# Altium PCB DRS4-PCB.PcbDoc (part 10 of 15)
Units mil, origin at the board's own origin, x right, y up, seen from the top; angles counter-clockwise.
Board outline 12350 x 7411.06 mil, 12 copper layers (Top Layer, Ground Layer 2, Signal Layer 3, Signal Layer 4, Ground Layer 5, Power Layer 6, Ground Layer 7, Ground Layer 8, Power Layer 9, Power Layer 10, Ground Layer 11, Bottom Layer), stack 61.6 mil thick; 1411 components, 1117 nets, 4255 pads, 2550 vias.
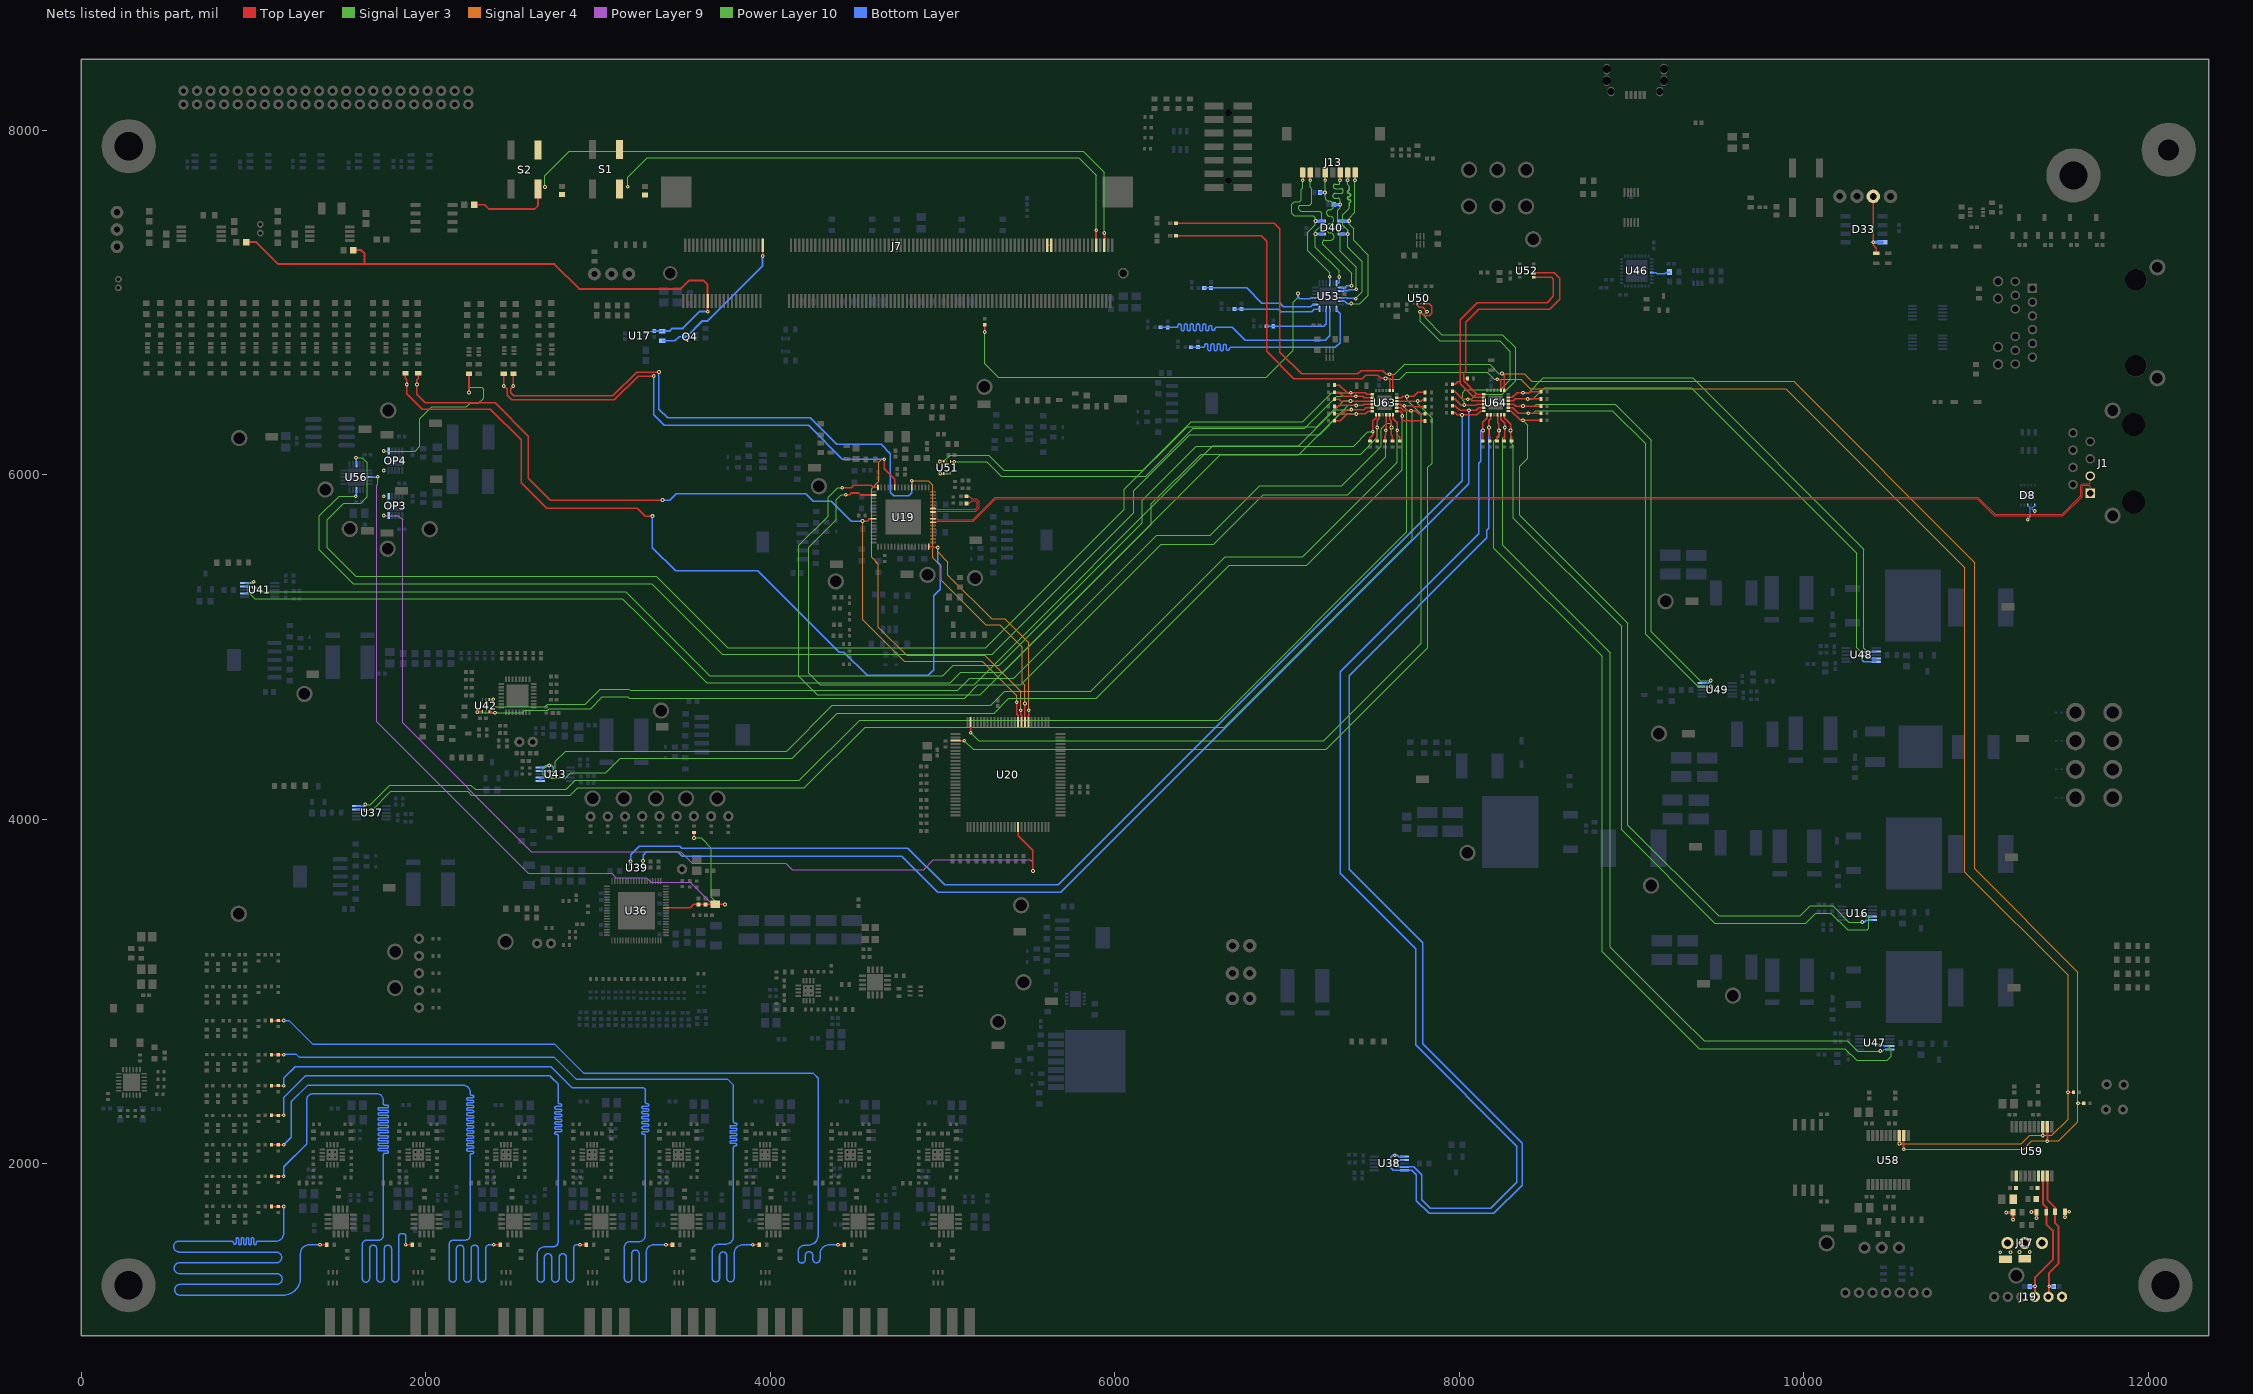
[diagram p20: the nets of this part, all layers, seen from the top]

## Via types
v1: diameter 21.65, hole 10, Top Layer to Bottom Layer, 2413 vias
v2: diameter 20, hole 10, Top Layer to Bottom Layer, 123 vias
v3: diameter 19, hole 8, Top Layer to Bottom Layer, 12 vias
v4: diameter 27.56, hole 10, Top Layer to Bottom Layer, 1 vias
v5: diameter 21.65, hole 10, Top Layer to Bottom Layer, tented top, 1 vias

## Nets (pads, with @x,y where several pads share a name; then routed paths per layer and width w, separated by ;. In a path a pad name is that pad's centre, name@x,y a point inside that pad or via, vN(x,y) a via of type N, cw(c..) or ccw(c..) an arc to the next point about the centre after c; other vN are vias at no path point) (continued)
OUT9_N: D8.3 J1.1 U19.55 | length 7082.8
  Top Layer w5: U19.55@4944.2,5724.69 4964.42,5724.69 4969.26,5729.54 5178.79,5729.54 5309.46,5860.2 11006.36,5860.2 11106,5760.57 11503.14,5760.57 11615.72,5873.15 11615.72,5934.27 11618.81,5937.36 11655.24,5937.36 11662.2,5930.4 J1.1@11662.2,5892.36 ; v1(11300.08,5739.02) 11300.08,5760.22
  Bottom Layer w6.73: v1(11300.08,5739.02) 11300.08,5740.96 11313.91,5754.79 11313.91,5806.75 11307.69,5812.96 11307.69,5813.24 11300.08,5820.85 D8.3@11300.08,5823.81
OUT9_P: D8.1 J1.3 U19.56 | length 7031.8
  Top Layer w5: U19.56@4944.2,5744.38 4964.42,5744.38 4969.26,5739.54 5174.65,5739.54 5305.32,5870.2 11010.5,5870.2 11110.14,5770.57 11498.99,5770.57 11605.72,5877.3 11605.72,5938.42 11608.65,5941.34 11614.67,5947.36 11655.24,5947.36 11662.2,5954.32 J1.3@11662.2,5992.36 ; 11339.45,5770.93 v1(11339.45,5789.02)
  Bottom Layer w6.73: v1(11339.45,5789.02) 11335.85,5789.02 11325.64,5799.23 11325.64,5806.74 11331.87,5812.96 11331.87,5813.27 11339.45,5820.85 D8.1@11339.45,5823.81
OUT9A_N: C87.1 U19.58 | length 397.6
  Top Layer w5: U19.58@4944.2,5783.75 4964.42,5783.75 4969.26,5788.59 5192.5,5788.59 5211.06,5807.16 5211.06,5842.21 5194.01,5859.27 5169.34,5859.27 5153.13,5875.47 C87.1@5138.82,5875.47
OUT9A_P: C89.1 U19.59 | length 364.5
  Top Layer w5: U19.59@4944.2,5803.44 4964.42,5803.44 4969.26,5798.59 5188.36,5798.59 5201.06,5811.3 5201.06,5838.07 5189.87,5849.27 5169.34,5849.27 5153.13,5833.06 C89.1@5138.82,5833.06
PB_3V3: C363.2 C364.1 J17.2 R327.1 R328.1 TP90.1 U59.17 | length 123.1
  Top Layer w15.75: v1(11320,1719.18) R328.1@11349.91,1719.18 v1(11349.91,1683.12) ; v1(11515.28,1689.18) R327.1@11515.28,1720.79 v1(11540.8,1720.79)
  other v1: 11251.21,1487.32 11311.4,1487.32
PB_3V3_VISO: C355.2 C356.1 J17.3 R332.1 TP92.1 U59.12 | length 81.3
  Top Layer w15.75: v1(11174.92,1717.02) R332.1@11214.29,1717.02 v1(11214.29,1675.12)
  other v1: 11139.64,1486.55 11199.83,1486.55
PB_EXT_3V3: J17.1 J19.1
PB_SCL: D76.1 J19.2 R327.2 U59.19 | length 778.5
  Top Layer w11.81: U59.19@11412.91,1928.66 11412.91,1790.68 11458.19,1745.4 R327.2@11458.19,1720.79 11458.19,1654.68 11478.87,1634 11478.87,1421.59 11423.28,1366 J19.2@11423.28,1227.17
  Bottom Layer w11.81: v1(11423.62,1288.07) D76.1@11450.25,1288.07
PB_SDA: D77.1 J19.3 R328.2 U59.18 | length 803.7
  Top Layer w11.81: J19.3@11341.1,1224.52 11341.1,1338.99 11445.12,1443.01 11445.12,1611.39 11407,1649.51 R328.2@11407,1719.18 11409.76,1721.94 11409.76,1745.45 11387.32,1767.89 U59.18@11387.32,1928.66
  Bottom Layer w11.81: D77.1@11311.14,1288.07 v1(11341.39,1288.07)
POR: C76.1 J7.196 R388.1 S2.1 S2.2 | length 4330.4
  Top Layer w7.87: v1@5938.54,7402.56 v1@5938.78,7402.33
  Top Layer w9.84: R388.1@2280.06,7566.58 2341.14,7566.58 2365.2,7542.52 2632.32,7542.52 2651.24,7561.43 S2.1@2651.24,7657.4
  Top Layer w11.81: J7.196@5938.78,7330.79 v1@5938.78,7402.33
  Power Layer 10 w6.88: v1@2690.49,7670.52 2690.49,7734.26 2833.23,7877.01 5815.91,7877.01 5938.54,7754.38 v1@5938.54,7402.56
  other v1: 5938.78,7402.56 2691.43,7670.52
POWER_EN: C64.1 J7.13 R30.2 R364.1 R366.1 U17.1 | length 3519.8
  Top Layer w11.8: R366.1@956.14,7349.88 1015.26,7349.88 1142.3,7222.84 1644.01,7222.84 ; R364.1@1578.94,7303.27 1623.27,7303.27 1644.01,7282.53 1644.01,7222.84 ; J7.13@3635.57,7008.12 3635.57,7103.72 3611.24,7128.05 3529.27,7128.05 3479.91,7078.69 2890.38,7078.69 2746.23,7222.84 1644.01,7222.84
  Top Layer w11.81: v1@3635.31,6946.48 3635.58,6946.75 J7.13@3635.57,7008.12
  Bottom Layer w5: U17.1@3266.94,6825.38 3294.56,6825.38 3303.13,6833.94 C64.1@3325.19,6833.94
  Bottom Layer w11.8: v1@3635.83,6944.02 v1(3635.83,6946.48)
  Bottom Layer w11.81: U17.1@3265,6825.38 U17.1@3266.94,6825.38 ; C64.1@3325.19,6833.13 R30.2@3372.41,6833.13 ; R30.2@3388.05,6835.08 3416.45,6835.08 3431.21,6849.85 3491.28,6849.85 3587.91,6946.48 v1@3635.31,6946.48
POWER_GOOD: J7.40 Q4.5 R30.1 | length 881.3
  Top Layer w9.84: J7.40@3954.46,7331.1 3954.85,7330.71 v1(3954.85,7269.89)
  Bottom Layer w7.87: R30.1@3372.41,6778.01 3446.15,6778.01 3469.97,6801.83 Q4.5@3497.43,6801.83
  Bottom Layer w11.81: Q4.5@3497.43,6801.83 3514.73,6801.83 3605.79,6892.88 3635.41,6892.88 3954.85,7212.32 v1(3954.85,7269.89)
PS_SRST#: C71.1 J7.192 S1.1 S1.2 | length 3271
  Top Layer w7.87: v1@5891.3,7419.33 v1@5891.54,7419.09
  Top Layer w11.81: J7.192@5891.54,7330.79 v1@5891.54,7419.09
  Power Layer 10 w6.88: v1(3172.65,7671.32) 3172.65,7727.53 3284.37,7839.25 5791.14,7839.25 5891.3,7739.08 v1@5891.3,7419.33
  other v1: 5891.54,7419.33
R-OFS: C142.1 C143.2 C144.2 R58.1 U36.30 U56.18 | length 4831.7
  Top Layer w7.87: U36.30@3394.77,3484.54 3535.35,3484.54 3555.94,3505.13 v1(3736.87,3505.13)
  Top Layer w10: v1(3555.91,3891.13) R58.1@3555.91,3923.82
  Power Layer 9 w6.12: v1(1720.48,5988.43) 1720.48,5946.1 1713.5,5939.13 1713.5,4564.61 2593.19,3684.92 3079.55,3684.92 3103.29,3661.18 3279.99,3661.18 3308.02,3633.14 3429.36,3633.14 3430.27,3634.05 3533.89,3634.05 3662.81,3505.13 v1(3736.87,3505.13)
  Power Layer 10 w6.88: v1(3555.91,3891.13) 3599.58,3891.13 3657.91,3832.8 3657.91,3546.77 3699.55,3505.13 v1(3736.87,3505.13)
  Bottom Layer w7.87: U56.18@1671.18,5985.98 1718.02,5985.98 v1(1720.48,5988.43)
RSVD: J7.168 J7.170 | length 23.6
  Top Layer w7.87: J7.168@5608.1,7330.79 J7.170@5631.72,7330.79
RX_EXT: D33.4 J11.2 R189.1 | length 390.8
  Top Layer w7.87: v1(10402.2,7349.43) 10402.2,7334.74 10421.08,7315.85 R189.1@10421.08,7285.06 ; v1@10402.75,7349.43 J11.2@10402.75,7615.48
  Bottom Layer w5: D33.4@10455.4,7349.43 D33.4@10455.6,7349.23
  Bottom Layer w19.68: v1@10403.09,7349.43 D33.4@10455.4,7349.43
RX_LED: R198.1 U46.21 | length 110.9
  Bottom Layer w7.87: U46.21@9116.65,7173.23 9139.76,7173.23 9147.28,7165.71 9192.4,7165.71 9202.39,7175.7 R198.1@9220.35,7175.7
S\H\D\N\: OP3.5 OP3.6 OP4.6 R320.2 U20.66 | length 6760.8
  Top Layer w7.87: U20.66@5438.27,3954.01 5438.27,3905.33 5524.35,3819.25 v1(5524.35,3698.9)
  Top Layer w10: v1(2249.63,6477.06) R320.2@2249.63,6586.61
  Power Layer 9 w6.12: v1(1756.1,5762.83) 1840.75,5762.83 1864.57,5739.01 1864.57,4559.4 2611.93,3812.05 3479.06,3812.05 3546.5,3744.61 4090.43,3744.61 4127.52,3707.52 4888.86,3707.52 4946.57,3765.24 5509.94,3765.24 5524.35,3750.82 v1(5524.35,3698.9)
  Power Layer 10 w6.88: v1(1756.1,6137.21) 1938.54,6137.21 1965.66,6164.33 1965.66,6325.14 2033.84,6393.33 2235.75,6393.33 2256.2,6413.77 2305.16,6413.77 2335.52,6444.13 2335.52,6496.21 2324.79,6506.94 2258.17,6506.94 2249.63,6498.4 v1(2249.63,6477.06)
  other v1: 1756.1,5875.43 1756.1,6024.61
SCL: R100.1 R220.1 U58.2 U59.2 U63.19 U64.19 | length 10919.4
  Top Layer w6: v1(11591.84,2350.61) R100.1@11624.48,2350.59
  Top Layer w7.87: R220.1@6354.92,7459.58 6926.04,7459.58 ; 6926.1,7459.64 6957.89,7427.85 6957.89,6711.73 7084.81,6584.81 7410.81,6584.81 7430.77,6604.77 7554.68,6604.77 7576.17,6583.28 v1(7593.78,6583.28) 7608.3,6583.28 7614.37,6577.21 U63.19@7614.37,6488.66 ; v1(8247.05,6587.4) 8260.83,6573.62 U64.19@8260.83,6489.72
  Top Layer w11.81: U58.2@10579.06,2164.09 10579.06,2085.11 v1(10580.04,2084.13) ; v1(11412.91,2130.66) U59.2@11412.91,2214.09
  Signal Layer 3 w7.25: v1(7593.78,6583.28) 7624.77,6583.28 7681.78,6640.28 8176.18,6640.28 8229.06,6587.4 v1(8247.05,6587.4)
  Signal Layer 4 w6.12: v1(8247.05,6587.4) 8375.43,6587.4 8421.19,6541.64 9939.56,6541.64 10991.81,5489.39 10991.81,3711.01 11590.99,3111.83 11590.99,2242.4 11480.55,2131.96 11323.47,2131.96 11275.64,2084.13 v1(10580.04,2084.13)
SCL_3V3_INA226: R269.1 U47.5 U64.11 | length 5317.3
  Top Layer w7.87: U64.11@8241.14,6347.99 8241.14,6320.69 8263.31,6298.52 v1@8263.31,6276.67 ; R269.1@8259.36,6195.2 8259.36,6213.6 8263.31,6217.54 v1(8263.31,6274.25)
  Signal Layer 3 w7.25: v1(8263.31,6274.25) 8263.31,6222.14 8251.75,6210.58 8251.75,5590.57 8875.52,4966.8 8875.52,3257.66 9282.66,2850.51 9420.1,2713.07 10252.08,2713.07 10311.15,2654 v1(10442.91,2654)
  Bottom Layer w5: v1@10443.5,2654 10458,2654 10467.45,2663.45 U47.5@10498.49,2663.45
SCL_4V_INA226: R334.1 U48.2 U48.5 U64.17 | length 3443.9
  Top Layer w7.87: U64.17@8282.48,6448.39 8308.07,6448.39 8334.81,6475.12 v1(8369.75,6475.12) 8407.76,6475.12 8413.54,6480.91 R334.1@8473.9,6480.91
  Signal Layer 3 w7.25: v1@8369.17,6476.93 8402.17,6476.93 8486.85,6561.61 9353.28,6561.61 10347.82,5567.06 10347.82,4993.09 v1(10368.26,4972.65)
  Bottom Layer w7.87: U48.5@10419.94,4914.06 10346.8,4914.06 10339.29,4921.57 10339.29,4963.64 10348.3,4972.65 v1(10368.26,4972.65) 10419.48,4972.65 U48.2@10419.94,4973.12
SCL_-1V_INA226: R336.1 U49.5 U64.15 | length 2663.1
  Top Layer w7.87: U64.15@8282.48,6409.02 8315.63,6409.02 8327.83,6396.81 8360.87,6396.81 8362.24,6398.19 v1(8369.17,6398.19) R336.1@8473.9,6398.19
  Signal Layer 3 w7.25: v1(8369.17,6398.19) 8434.88,6398.19 8445.71,6409.02 8906.01,6409.02 9115.16,6199.87 9115.16,5088.05 9398.55,4804.66 v1(9458.66,4804.66)
  Bottom Layer w7.87: U49.5@9408.58,4789.86 9443.86,4789.86 v1(9458.66,4804.66)
SCL_ADCINA226_AVDD: R258.1 U43.1 U43.2 U43.5 U63.13 | length 6571.5
  Top Layer w7.87: U63.13@7636.02,6368.58 7656.18,6368.58 7668.19,6356.57 v1(7668.19,6340.47) 7668.19,6318.98 7675.23,6311.94 R258.1@7801.5,6311.94
  Signal Layer 3 w7.25: v1(2716.32,4312.01) 2695.73,4312.01 2681.49,4297.76 2681.49,4258.53 2701.46,4238.56 2807.6,4238.56 2839.82,4270.78 3044.12,4270.78 3127.75,4354.41 4127.65,4354.41 4388.62,4615.39 5298.3,4615.39 5384.87,4701.96 5892.15,4701.96 6663.15,5472.95 7112.42,5472.95 7668.19,6028.73 v1(7668.19,6340.47)
  Bottom Layer w7.87: U43.1@2663.94,4221.84 U43.2@2663.94,4241.53 2728.34,4241.53 2739.14,4252.33 2739.14,4300.65 2727.78,4312.01 v1(2716.32,4312.01) 2706.94,4312.01 2695.52,4300.58 U43.5@2663.94,4300.58
SCL_ADCINA226_DVDD: R251.1 U41.5 U63.8 | length 7786.9
  Top Layer w7.87: R251.1@7522.51,6195.18 v1(7522.51,6273.59) 7522.51,6315.86 7535.63,6328.97 U63.8@7535.63,6346.93
  Signal Layer 3 w7.25: v1(1001.35,5378.86) 985,5378.86 969.88,5363.74 969.88,5316.82 1005.6,5281.1 3140.3,5281.1 3249.42,5171.98 3629.91,4791.49 5042.93,4791.49 5103.69,4852.24 5352.58,4852.24 6212.16,5711.82 6212.16,5830.92 6500.79,6119.55 7425.85,6119.55 7522.51,6216.21 v1(7522.51,6273.59)
  Bottom Layer w7.87: U41.5@947.41,5370.08 992.57,5370.08 v1(1001.35,5378.86)
SCL_ADCTMP112: R253.1 U42.1 U63.11 | length 6197.7
  Top Layer w7.87: U42.1@2367.62,4694.38 2388.92,4694.38 v1(2390.52,4695.98) ; U63.11@7595.19,6346.93 7595.19,6321.31 7605.59,6310.91 v1(7605.59,6274.25) 7605.59,6231.26 7610.95,6225.89 R253.1@7610.95,6195.18
  Signal Layer 3 w7.25: v1(2390.52,4695.98) 2390.52,4666.79 2403.52,4653.79 2692.85,4653.79 2706.26,4667.21 2925.16,4667.21 3013.34,4755.39 3177.72,4755.39 3185.4,4747.71 5087.49,4747.71 5156.97,4817.19 5411.67,4817.19 6243.09,5648.61 6553.13,5648.61 6841.16,5936.64 7317.83,5936.64 7545.68,6164.49 7545.68,6266.31 7577.14,6297.77 7598.24,6297.77 7605.59,6290.43 v1(7605.59,6274.25)
SCL_BME280: R261.1 U52.4 U64.2 | length 1408.2
  Top Layer w7.87: R261.1@7960.24,6525.04 7975.86,6525.02 7990.88,6540.04 8003.64,6540.04 ; U64.2@8140.75,6448.39 8083.7,6448.39 8004.98,6527.11 8004.98,6899.34 8104.61,6998.98 8510.32,6998.98 8546.19,7034.84 8546.19,7135.62 8535.91,7145.9 U52.4@8430.59,7145.9
SCL_ClkSensorTMP112: R69.1 U51.1 U51.4 U63.2 | length 2975.2
  Top Layer w7.87: v1(4985.3,6006.51) 5004.81,6006.51 5005.39,6005.93 U51.1@5005.97,6006.51 ; U51.4@5045.34,6075.41 5045.79,6075.86 v1(5067.7,6075.86) ; R69.1@7275.35,6478.9 7302.25,6478.89 7326.34,6454.8 v1(7397.83,6454.8) 7397.83,6450.12 7398.9,6449.06 7404.64,6454.8 7441.52,6454.8 7449,6447.33 U63.2@7494.29,6447.32
  Power Layer 10 w6.88: v1(4985.3,6006.51) 5037.61,6006.51 5038.19,6005.93 5067.7,6035.45 v1(5067.7,6075.86) 5257.07,6075.86 5341.09,5991.84 6177.88,5991.84 6455.04,6269.01 7101.04,6269.01 7286.84,6454.8 v1(7397.83,6454.8)
SCL_CY8C9560A: R254.1 U20.24 U63.17 | length 4565.3
  Top Layer w7.87: v1@5162.68,4502.2 U20.24@5162.68,4564.25 ; U63.17@7636.02,6447.32 7664.02,6447.32 7670.71,6454.02 v1(7695.87,6454.02) 7735.12,6454.02 7758.44,6477.33 R254.1@7801.5,6477.33
  Signal Layer 3 w7.25: v1(5163.86,4502.2) 5209.9,4456.16 6106.89,4456.16 7212.84,4456.16 7774.88,5018.2 7774.88,6355.24 7694.17,6435.94 v1@7694.17,6447.2
SCL_DAC: R74.1 U56.3 U63.6 | length 7656
  Top Layer w7.87: R74.1@7275.35,6313.5 7309.45,6313.5 7348.62,6352.68 v1(7400.71,6352.68) 7454.59,6352.68 7470.49,6368.59 U63.6@7494.29,6368.58
  Signal Layer 3 w7.25: v1(1592.08,5875.42) 1495.92,5875.42 1381.14,5760.63 1381.14,5563.83 1577.84,5367.13 3311.01,5367.13 3720.22,4957.91 5287.49,4957.91 6109.94,5780.35 6109.94,5905.47 6435.81,6231.34 7187.97,6231.34 7309.3,6352.68 v1(7400.71,6352.68)
  Bottom Layer w9.84: v1(1592.08,5875.42) 1596.28,5879.61 U56.3@1596.28,5911.09
SCL_DRS4INA226: R267.1 U38.1 U38.5 U64.8 | length 6489.2
  Top Layer w7.87: R267.1@8176.66,6195.2 8177.07,6195.61 8177.07,6224.08 8171.75,6229.41 v1(8171.75,6274.25) 8171.75,6313.49 8182.09,6323.83 U64.8@8182.09,6347.99
  Bottom Layer w7.87: U38.1@7680.98,2040.69 7647.83,2040.69 7639.65,2048.87 v1(7625.25,2048.87) 7611.74,2048.87 7601.62,2038.75 7601.62,1975.79 7615.46,1961.95 U38.5@7680.98,1961.95 7723.06,1961.95 7750,1935 7750,1785.15 7824.04,1711.11 8200.14,1711.11 8364.3,1875.27 8364.3,2117.58 7786.02,2695.86 7786.02,3283.9 7359.33,3710.59 7359.33,4833.34 8159.45,5633.46 8159.45,5677.91 8171.75,5690.21 v1(8171.75,6274.25)
SCL_DRS4INA226_AVDD: R256.1 U37.5 U63.15 | length 7688.3
  Top Layer w7.87: U63.15@7636.02,6407.95 7658.12,6407.95 7665.45,6400.63 v1(7680.51,6400.63) 7727.87,6400.63 7733.87,6394.64 R256.1@7801.5,6394.64
  Signal Layer 3 w7.25: v1(1648.67,4084.71) 1677.62,4084.71 1790.07,4197.15 2260.79,4197.15 2285.25,4172.69 2814.25,4172.69 2867,4225.44 4043.52,4225.44 4168.95,4225.44 4518.25,4574.73 6026.88,4574.73 6602.46,4574.73 7695.7,5667.97 7695.7,6377.41 7680.51,6392.6 v1(7680.51,6400.63)
  Bottom Layer w7.87: U37.5@1596.9,4076.19 1640.16,4076.19 v1(1648.67,4084.71)
SCL_DRS4TMP112: R265.1 U39.1 U64.6 | length 6545.6
  Top Layer w7.87: v1(3188.34,3755.54) 3190.11,3753.77 U39.1@3190.11,3738.23 ; R265.1@7960.24,6359.61 7974.98,6359.63 7986.65,6347.95 8000.35,6347.95 8001.1,6347.2 v1(8015.24,6347.2) 8101.02,6347.2 8123.46,6369.65 U64.6@8140.75,6369.65
  Bottom Layer w7.87: v1(3188.34,3755.54) 3188.34,3792.71 3238.11,3842.48 3473.49,3842.48 3485.51,3830.46 4798.66,3830.46 5010.77,3618.35 5670.01,3618.35 6195.14,4143.48 8015.24,5963.58 v1(8015.24,6347.2)
SCL_LIS3MDLTR: R263.1 U50.1 U64.4 | length 1572.4
  Top Layer w7.87: v1(7771.67,6946.2) 7794.95,6922.93 7824.17,6922.93 7839.51,6938.28 7839.51,6978.27 7824.37,6993.41 U50.1@7795.32,6993.41 ; R263.1@7960.24,6442.32 7973.86,6442.32 8011.93,6404.25 v1(8027.4,6404.25) 8096.54,6404.25 8101.31,6409.02 U64.4@8140.75,6409.02
  Signal Layer 3 w7.25: v1(7771.67,6946.2) 7771.67,6891.85 7887.29,6776.23 8234.21,6776.23 8296.13,6714.3 8296.13,6550.43 8238.08,6492.38 8035.22,6492.38 8018.6,6475.76 8018.6,6432.98 8027.4,6424.17 v1(8027.4,6404.25)
SCL_SI5395: R72.1 U19.16 U63.4 | length 5630.6
  Top Layer w7.87: v1(4417.6,5924.94) 4470.59,5924.94 4485.19,5939.55 4585.21,5939.55 4598.29,5926.47 U19.16@4624.32,5926.47 ; R72.1@7275.35,6396.19 7303.34,6396.19 7309.28,6402.13 v1(7400.39,6402.13) 7441.07,6402.13 7446.9,6407.96 U63.4@7494.29,6407.95
  Power Layer 10 w6.88: v1(4417.6,5924.94) 4392.34,5924.94 4336.06,5868.66 4336.06,5759.43 4165.63,5589.01 4165.63,4829.67 4271.95,4723.35 5219.42,4723.35 6611.76,6115.7 7067.6,6115.7 7354.03,6402.13 v1(7400.39,6402.13)
SCL_Zynq_INA226: R338.1 U16.5 U64.13 | length 4564.9
  Top Layer w7.87: U64.13@8282.48,6369.65 8301.22,6369.65 8355.35,6315.51 v1(8369.17,6315.51) R338.1@8473.9,6315.51 R338.1@8477.36,6315.51
  Signal Layer 3 w7.25: v1(8369.17,6315.51) 8397.32,6287.36 8397.32,6094.53 8350.95,6048.16 8350.95,5763.53 8978.26,5136.22 8978.26,3964.67 9504.8,3438.13 9977.73,3438.13 10037.33,3497.73 10166.51,3497.73 10261.5,3402.74 v1(10338.5,3402.74)
  Bottom Layer w7.87: v1(10338.5,3402.74) 10351.02,3402.74 10362.88,3414.6 U16.5@10397.27,3414.6
SD_CLK: D41.1 J13.5 R382.1 U53.19 | length 1040.1
  Top Layer w7.87: v1@7220.87,7709.02 J13.5@7220.87,7753.74
  Signal Layer 3 w7.25: v1(7220.47,7708.66) 7220.47,7609.52 ccw(c7241.36,7609.52) 7241.36,7588.63 7241.71,7588.63 cw(c7241.71,7561.27) 7269.07,7561.27 cw(c7244.87,7561.27) 7244.87,7537.07 ccw(c7244.87,7519.88) 7227.67,7519.88 ccw(c7247.66,7519.88) 7247.66,7499.89 cw(c7247.66,7477.35) 7270.2,7477.35 cw(c7248.77,7477.35) 7248.77,7455.91 ccw(c7248.77,7434.61) 7227.46,7434.61 7227.46,7426.76 ccw(c7250.93,7426.76) 7250.93,7403.3 cw(c7250.93,7381.8) 7272.42,7381.8 cw(c7252.43,7381.8) 7252.43,7361.8 7216.74,7361.8 ccw(c7216.74,7351.23) 7206.17,7351.23 7206.17,7337.56 7373.62,7170.11 v1@7373.62,7096.38
  Bottom Layer w5: U53.19@7312.25,7086.22 U53.19@7312.94,7085.53
  Bottom Layer w7.87: U53.19@7312.25,7086.22 7336.65,7086.22 7346.97,7096.54 7367.92,7096.54 7374.02,7090.44 v1(7374.02,7096.73)
  Bottom Layer w8: v1(7220.47,7708.66) R382.1@7220.47,7738.91
  Bottom Layer w19.68: D41.1@7190.43,7638.24 v1(7219.06,7638.24)
SD_CMD: D42.1 J13.3 R387.1 U53.20 | length 1046.3
  Top Layer w7.87: v1@7307.48,7709.02 J13.3@7307.48,7753.74
  Signal Layer 3 w7.25: v1@7306.69,7708.31 7306.69,7693.31 cw(c7299.73,7693.31) 7299.73,7686.35 7279.46,7686.35 ccw(c7279.46,7674.02) 7267.13,7674.02 ccw(c7280.07,7674.02) 7280.07,7661.08 7311.76,7661.08 cw(c7311.76,7648.25) 7324.6,7648.25 7324.6,7644.04 cw(c7314.37,7644.04) 7314.37,7633.81 7279.47,7633.81 ccw(c7279.47,7619.17) 7264.83,7619.17 7264.83,7617.56 ccw(c7276.26,7617.56) 7276.26,7606.13 7293.24,7606.13 cw(c7293.24,7592.28) 7307.09,7592.28 7307.09,7548.38 7293.16,7534.46 7293.16,7413.85 7307.09,7399.92 7307.09,7297.01 7401.18,7202.92 7400.83,7202.56 v1@7400.83,7075.59
  Bottom Layer w7.87: U53.20@7312.25,7066.54 7352.13,7066.54 7360.35,7074.76 v1@7401.22,7074.76
  Bottom Layer w8: v1(7307.09,7708.66) R387.1@7307.09,7738.91
  Bottom Layer w19.68: D42.1@7271.03,7568.27 v1(7308.43,7568.27)
  other v1: 7401.22,7075.94
SD_DAT0: D40.4 J13.7 R383.1 U53.18 | length 983.8
  Top Layer w7.87: v1@7134.25,7709.02 J13.7@7134.25,7753.74
  Signal Layer 3 w7.25: v1(7133.86,7708.66) 7133.86,7667.74 7144.15,7657.45 7144.15,7576.65 7130.78,7563.28 7073.43,7563.28 7066.8,7556.64 7066.8,7541.16 7078.66,7529.3 7188.08,7529.3 7200.27,7517.11 7200.27,7449.55 7164.17,7413.46 7164.17,7397.28 7164.17,7320.96 7301.63,7183.51 v1@7301.63,7150.05
  Bottom Layer w7.87: U53.18@7286.65,7111.8 7296.13,7111.8 7302.02,7117.69 v1(7302.02,7147.39)
  Bottom Layer w8: v1(7133.86,7708.66) R383.1@7133.86,7738.91
  Bottom Layer w19.68: v1(7164.57,7397.64) D40.4@7206.14,7397.64
SD_DAT1: D40.6 J13.8 R384.1 U53.16 | length 949.9
  Top Layer w7.87: v1@7090.94,7709.02 J13.8@7090.94,7753.74
  Signal Layer 3 w7.25: v1(7090.55,7708.66) 7090.55,7666.44 7080.57,7656.46 7080.57,7593.1 7071.56,7584.09 7041.15,7584.09 7027.2,7570.13 7027.2,7517.98 7040.97,7504.21 7151.63,7504.21 7164.17,7491.67 7164.17,7450.75 7119.75,7406.32 7119.75,7299.54 7248.09,7171.2 v1@7248.09,7149.31
  Bottom Layer w7.87: v1(7090.55,7708.66) R384.1@7090.55,7739 ; U53.16@7247.28,7111.8 v1(7247.28,7148.58)
  Bottom Layer w19.68: v1(7164.57,7472.44) D40.6@7206.14,7472.44
SD_DAT2: D40.1 J13.1 R385.1 U53.23 | length 1036.6
  Top Layer w7.87: v1@7394.09,7709.02 J13.1@7394.09,7753.74
  Signal Layer 3 w7.25: v1@7372.28,6992.91 7421.56,6992.91 7471.79,7043.14 7471.79,7273.62 7385.69,7359.72 7385.69,7426.42 7359.3,7452.82 7359.3,7489.74 7393.7,7524.14 v1(7393.7,7708.66)
  Bottom Layer w7.87: U53.23@7312.25,7007.48 7333.74,7007.48 7347.95,6993.27 v1(7372.68,6993.27)
  Bottom Layer w8: R385.1@7393.61,7739 7393.66,7738.96 v1(7393.7,7708.66) v1(7393.7,7708.66)
  Bottom Layer w11.81: v1@7356.69,7472.44 v1@7359.69,7469.44
  Bottom Layer w19.68: D40.1@7312.44,7472.44 v1@7356.69,7472.44
  other v1: 7359.69,7472.44
SD_DAT3: D40.3 J13.2 R386.1 U53.22 | length 1015.7
  Top Layer w7.87: v1@7350.79,7709.02 J13.2@7350.79,7753.74
  Signal Layer 3 w7.25: v1(7350.39,7708.66) 7350.39,7682.58 7359.24,7673.74 7359.24,7668.76 ; v1@7351.5,7397.28 7351.5,7320.42 7436.29,7235.63 7436.29,7061.89 v1@7398.39,7023.98 ; 7351.5,7419.02 7323.54,7446.98 7323.54,7510.17 7359.24,7545.88 7359.24,7558.53
  Signal Layer 3 w8: v1@7351.5,7397.28 7351.5,7419.02 ; 7359.24,7558.53 7359.24,7560.76 7359.24,7578.76 ccw(c7359.24,7587.76) 7359.24,7596.76 cw(c7359.24,7605.76) 7359.24,7614.76 ccw(c7359.24,7623.76) 7359.24,7632.76 cw(c7359.24,7641.76) 7359.24,7650.76 7359.24,7668.76 ; v1@7398.39,7020.55 v1@7398.39,7023.98